# Altium PCB main.PcbDoc
Units mm, origin at the board's own origin, x right, y up, seen from the top; angles counter-clockwise.
Board outline 150 x 150 mm, 2 copper layers (Top Layer, Bottom Layer); 99 components, 98 nets, 474 pads, 53 vias.
Unrouted connection lines stored in the file: 1.
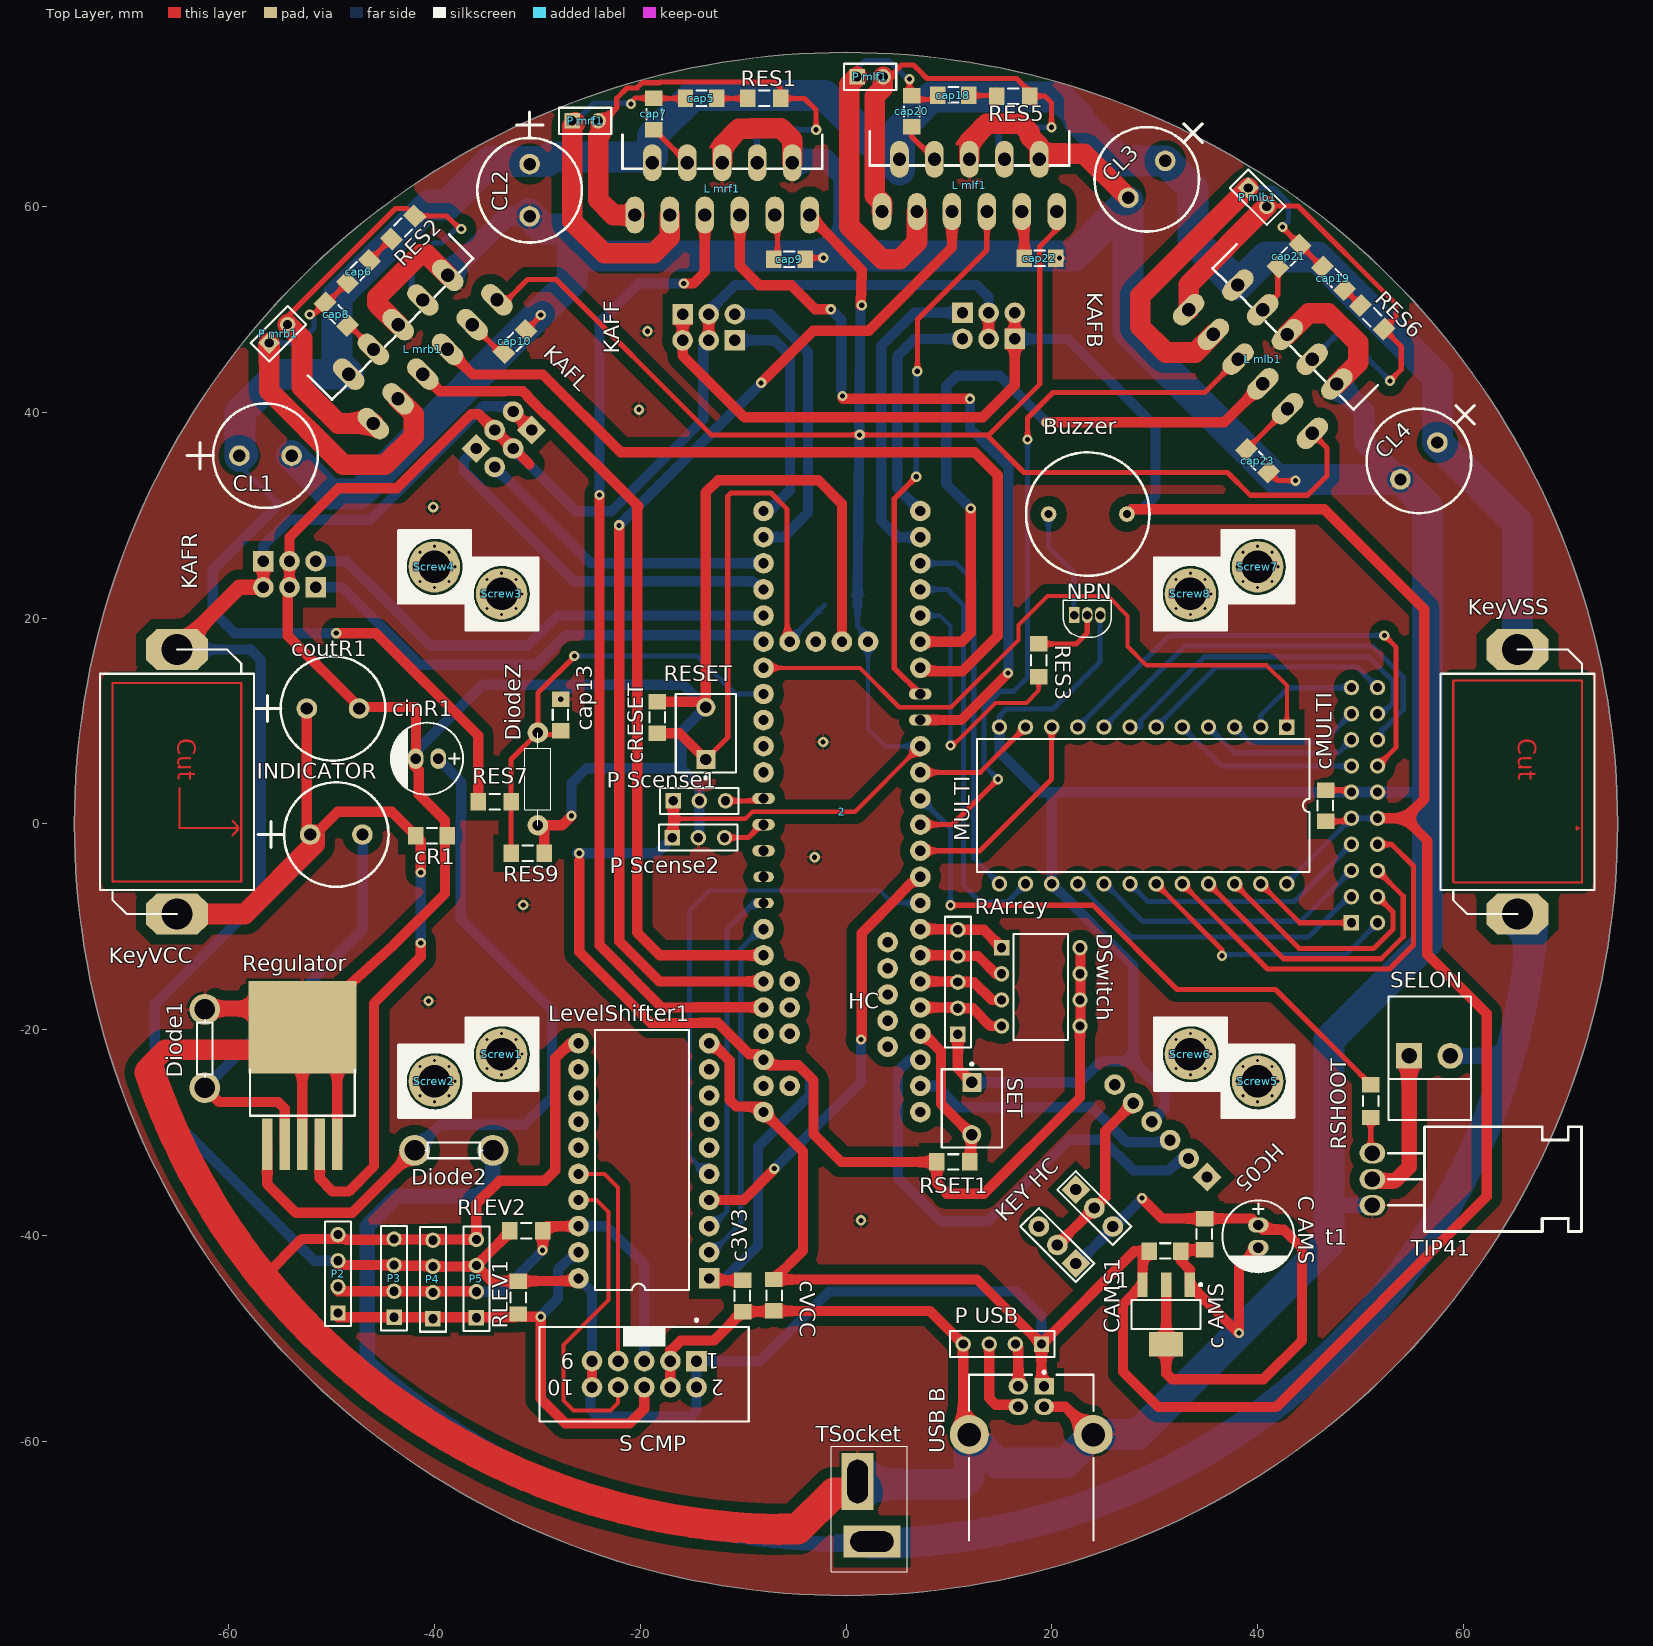
[diagram p0: Top Layer view]
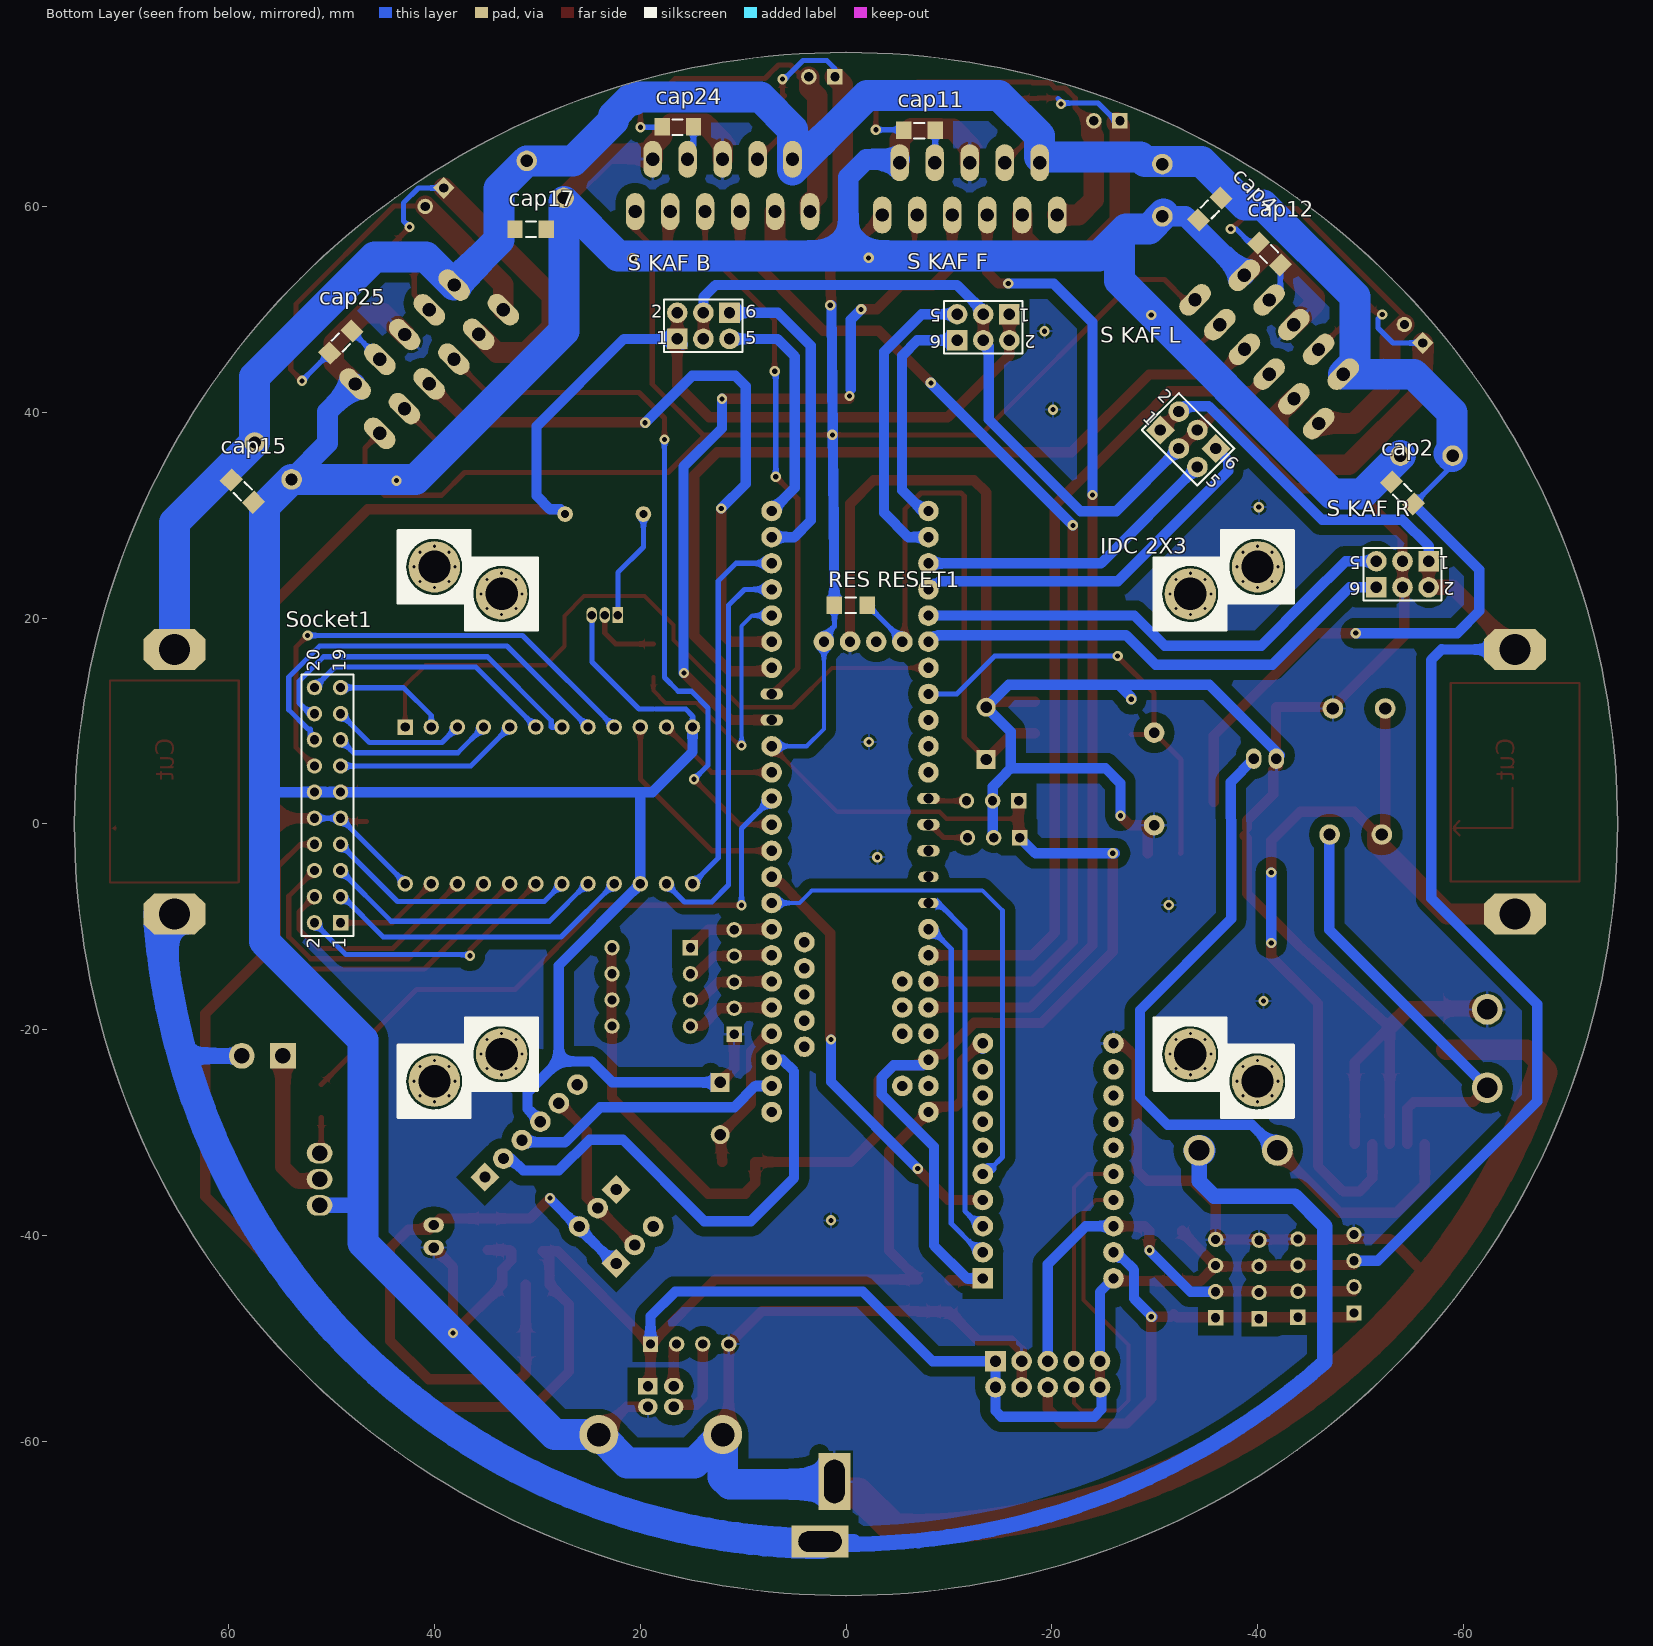
[diagram p1: Bottom Layer view, seen from below]
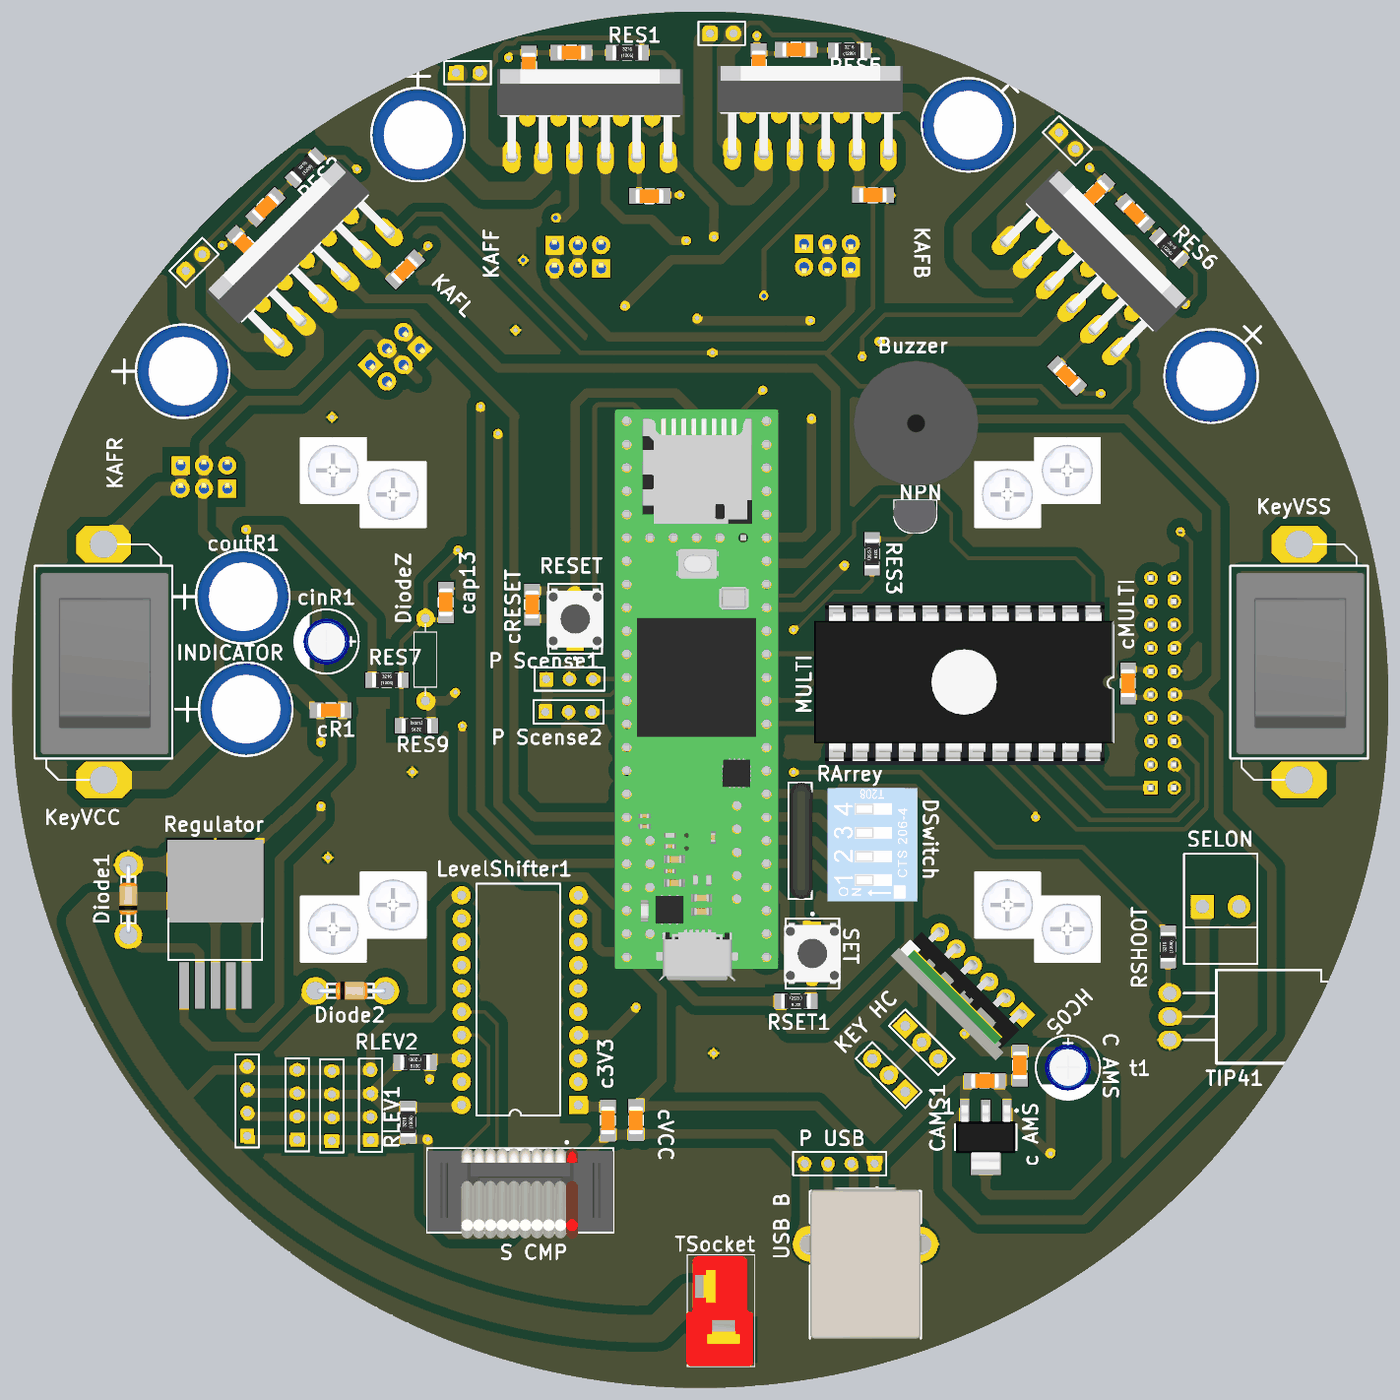
[diagram p2: 3D render of the assembled board from above, using the file's embedded part models]
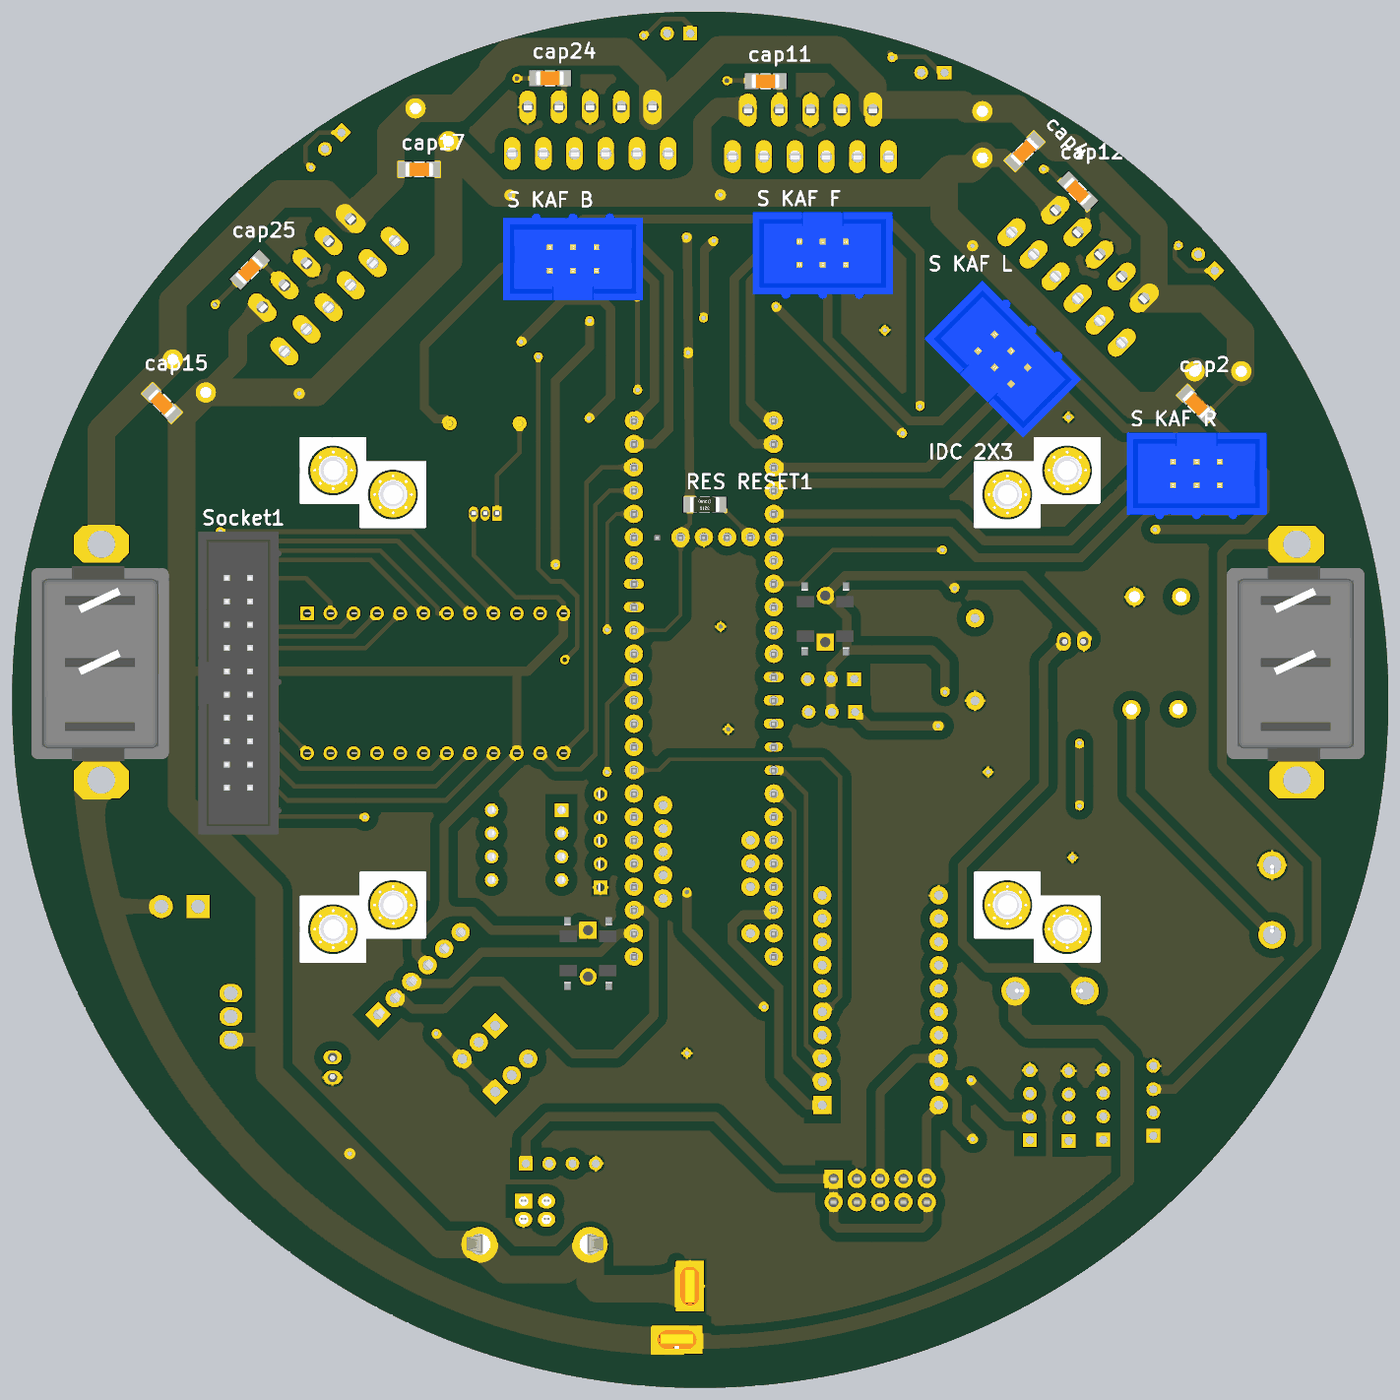
[diagram p3: 3D render of the assembled board from below, using the file's embedded part models]

## Layer stack, top to bottom
Top Solder: solder mask 0.0102, Solder Resist, Dk 3.5
Top Layer: signal copper 0.0356
Dielectric 1: dielectric 0.32, FR-4, Dk 4.8
Bottom Layer: signal copper 0.0356
Bottom Solder: solder mask 0.0102, Solder Resist, Dk 3.5

## Board outline
0,-75 cw(c0,0) -75,0 cw(c0,0) 0,75 cw(c0,0) 75,0 cw(c0,0)

## Design rules (kind name [scope] priority, off if disabled: settings)
Clearance Clearance_1 [InNamedPolygon('poly_butt')] p1: gap=1 ignorepadtopadclearanceinfootprint=FALSE
Clearance Clearance_4 [InNamedPolygon('poly_top')] p2: gap=1 ignorepadtopadclearanceinfootprint=FALSE
Clearance [All] p3: gap=0.5 ignorepadtopadclearanceinfootprint=FALSE
PolygonConnect [All] p1: connectstyle=Relief reliefconductorwidth=0.254 reliefentries=4 polygonreliefangle="90 Angle" airgapwidth=0.254
RoutingVias [All] p1: holewidth=0.5 width=1 viastyle="Through Hole" minholewidth=0.5 minwidth=1 maxholewidth=0.711 maxwidth=1.27
SolderMaskExpansion [All] p1: expansion=0.102
Width [All] p1: maxlimit=4 minlimit=0.4 preferedwidth=1 minimp=50.000000 maximp=50.000000 favimp=50.000000
30 further rules are at their usual default settings.

## Components (designator, comment, footprint, x,y, rotation, side; value= is the part's Value field where it differs from the comment)
1 "LD1117DT33" SOT223 31.15,-47.625 r180 top
2 "TEENSY_3.5/3.6" TEENSY_3.5/3.6 -0.395,-0.06 r90 top
Buzzer "Buzzer" Buzzer 23.525,30.125 r180 top (schematic designator Buzzer1)
c3V3 "smd" "Cap SMD" -10.05,-45.875 r90 top (schematic designator cap3V3)
"c AMS" "smd" "Cap SMD" 34.85,-39.875 r90 top (schematic designator "cap AMS2")
"C AMS" "100uf" "Cap 100uF" 40.15,-39.95 r180 top (schematic designator "capAMS 3")
CAMS1 "smd" "Cap SMD" 31,-41.525 r0 top (schematic designator "cap AMS1")
cap2 "smd" "Cap SMD" -54.1,32.175 r45 bottom
cap4 "smd" "Cap SMD" -35.35,59.775 r315 bottom
cap5 "smd" "Cap SMD" -14.075,70.525 r0 top
cap6 "smd" "Cap SMD" -47.375,53.7 r45 top
cap7 "smd" "Cap SMD" -18.675,69.025 r270 top
cap8 "smd" "Cap SMD" -49.55,49.55 r315 top
cap9 "smd" "Cap SMD" -5.5,54.9 r180 top
cap10 "smd" "Cap SMD" -32.175,46.9 r225 top
cap11 "smd" "Cap SMD" -7.15,67.425 r0 bottom
cap12 "smd" "Cap SMD" -41.153,55.397 r45 bottom
cap13 "smd" "Cap SMD" -27.725,10.6 r90 top
cap15 "smd" "Cap SMD" 58.675,32.35 r225 bottom
cap17 "smd" "Cap SMD" 30.65,57.8 r180 bottom
cap18 "smd" "Cap SMD" 10.425,70.85 r0 top
cap19 "smd" "Cap SMD" 47.375,53.05 r315 top
cap20 "smd" "Cap SMD" 6.375,69.275 r270 top
cap21 "smd" "Cap SMD" 43.05,55.2 r225 top
cap22 "smd" "Cap SMD" 18.85,55 r180 top
cap23 "smd" "Cap SMD" 40,35.3 r135 top
cap24 "smd" "Cap SMD" 16.35,67.75 r0 bottom
cap25 "smd" "Cap SMD" 49.1,46.85 r315 bottom
cinR1 "100uf" "Cap 100uF" -40.598,6.274 r90 top
CL1 "1000uf" "Cap 1000uf" -56.375,35.8 r180 top (schematic designator cap3)
CL2 "1000uf" "Cap 1000uf" -30.75,61.55 r90 top (schematic designator cap1)
CL3 "1000uf" "Cap 1000uf" 29.2,62.625 r45 top (schematic designator cap16)
CL4 "1000uf" "Cap 1000uf" 55.65,35.25 r45 top (schematic designator cap14)
cMULTI "smd" "Cap SMD" 46.625,1.775 r90 top (schematic designator "cap MULTI1")
coutR1 "1000uf" "Cap 1000uf" -49.814,11.225 r180 top
cR1 "smd" "Cap SMD" -40.275,-1.15 r0 top (schematic designator "cap R1")
cRESET "smd" "Cap SMD" -18.332,10.35 r90 top (schematic designator "cap RESET1")
cVCC "smd" "Cap SMD" -7,-45.8 r270 top (schematic designator capVCC1)
Diode1 "Diode" Diode -62.35,-21.875 r90 top
Diode2 "Diode" Diode -38.175,-31.7 r0 top
DiodeZ "DIP" Resistor -29.875,4.375 r270 top (schematic designator RES8)
DSwitch "DIP4" "DIP SW4" 18.975,-15.85 r90 top (schematic designator Switch1)
HC "HC05" HC05 20.364,-41.142 r135 top
INDICATOR "1000uf" "Cap 1000uf" -49.489,-1.025 r180 top (schematic designator INDICATOR1)
"KEY HC" "KEY 2ST" "KEY 2ST" 22.342,-39.125 r135 top
KeyVCC "Power Key" "Power Key"#1 -65.15,4.2 r270 top (schematic designator Key1)
KeyVSS "Power Key" "Power Key"#2 65.15,4.2 r270 top (schematic designator Key2)
"L mlb1" "L6203" MultiWatt11 41.375,46.05 r315 top
"L mlf1" "L6203" MultiWatt11 12,62.45 r0 top
"L mrb1" "L6203" MultiWatt11 -42,47 r45 top
"L mrf1" "L6203" MultiWatt11 -12.025,62.116 r0 top
LevelShifter1 "LevelShifter" CJMCU -13.3,-44.17 r180 top
MULTI "4067 DIP" "4067 DIP" 29.075,1.55 r270 top (schematic designator MULTI1)
NPN "N2222A" NPN 23.445,20.3 r180 top (schematic designator NPN1)
P2 "Header 1" HDR1X4 -49.375,-47.53 r90 top
P3 "Header 3" HDR1X4 -43.925,-47.955 r90 top
P4 "Header 2" HDR1X4 -40.15,-48.08 r90 top
P5 "Header 4" HDR1X4 -35.925,-48 r90 top
"P mlb1" "Header 2" HDR1X2 39.104,61.821 r315 top
"P mlf1" "Header 2" HDR1X2 1.075,72.625 r0 top
"P mrb1" "Header 2" HDR1X2 -56.071,46.754 r45 top
"P mrf1" "Header 2" HDR1X2 -26.625,68.35 r0 top
"P Scense1" "Header 3" HDR1X3 -16.79,2.25 r0 top
"P Scense2" "Header 3" HDR1X3 -16.89,-1.325 r0 top
"P USB" "Header 4" HDR1X4 19.005,-50.55 r180 top
RArrey "Res Array 5" "Res Array 5" 11,-15.875 r90 top (schematic designator RES4)
Regulator "LM2576" D2PAK -52.875,-23.35 r90 top (schematic designator Regulator1)
RES1 "SMD" "Resistor SMD 1206" -7.95,70.525 r0 top
RES2 "SMD" "Resistor SMD 1206" -43.05,57.975 r45 top
RES3 "SMD" "Resistor SMD 1206" 18.725,15.9 r270 top
RES5 "SMD" "Resistor SMD 1206" 16.25,70.75 r0 top
RES6 "SMD" "Resistor SMD 1206" 51.15,49.25 r315 top
RES7 "SMD" "Resistor SMD 1206" -34.15,2.15 r0 top
RES9 "SMD" "Resistor SMD 1206" -30.925,-2.85 r180 top
"RES RESET1" "SMD" "Resistor SMD 1206" -0.475,21.275 r0 bottom
RESET "SW-PB" SW_2pin -13.625,8.81 r90 top (schematic designator "RESET BUTTON1")
RLEV1 "SMD" "Resistor SMD 1206" -31.85,-46.025 r90 top (schematic designator "RES LEVEL1")
RLEV2 "SMD" "Resistor SMD 1206" -31.075,-39.525 r180 top (schematic designator "RES LEVEL2")
RSET1 "SMD" "Resistor SMD 1206" 10.425,-32.85 r180 top (schematic designator "RES SET1")
RSHOOT "SMD" "Resistor SMD 1206" 51,-26.925 r90 top (schematic designator "RES SHOOT")
"S CMP" "IDC2x5" "IDC 2x5" -19.661,-53.607 r270 top
"S KAF B" "IDC 2X3" "IDC 2X3" 13.86,48.42 r180 bottom
"S KAF F" "IDC 2X3" "IDC 2X3" -13.34,48.28 r0 bottom
"S KAF L" "IDC 2X3" "IDC 2X3" -33.252,37.394 r225 bottom
"S KAF R" "IDC 2X3" "IDC 2X3" -54.09,24.27 r0 bottom
Screw1 "Screw" Screw -33.479,-22.37 r0 top
Screw2 "Screw" Screw -40,-25 r0 top
Screw3 "Screw" Screw -33.479,22.37 r0 top
Screw4 "Screw" Screw -40,25 r0 top
Screw5 "Screw" Screw 40,-25 r0 top
Screw6 "Screw" Screw 33.479,-22.37 r0 top
Screw7 "Screw" Screw 40,25 r0 top
Screw8 "Screw" Screw 33.479,22.37 r0 top
SELON "Selon" "Selon Con" 56.75,-22.15 r180 top
SET "SW-PB" SW_2pin 12.225,-27.65 r270 top (schematic designator SET1)
Socket1 "IDC2x10" "IDC 2x10" 49.125,-9.6 r90 bottom
t1 "TIP41" TIP41 60.65,-34.35 r270 top
TSocket "TSocket" TSocket -2.682,-66.448 r270 top (schematic designator SocketT)
"USB B" "USB_B" USB_B.2 18.005,-56.995 r270 top (schematic designator "USB B1")

## Footprints (in the part's own frame and the unit in brackets; to place one, negate y for a bottom-side part, rotate by r counter-clockwise, add the part's x,y. Pads: shape width x height; smd on the part's side, far side on the other; paste and mask are expansions set on the pad)
"4067 DIP" [mm]
  rect 1.5x1.5 hole 0.9: 1(-7.874,13.776)
  round 1.5 hole 0.9: 2(-7.874,11.236) 3(-7.874,8.696) 4(-7.874,6.156) 5(-7.874,3.616) 6(-7.874,1.076) 7(-7.874,-1.464) 8(-7.874,-4.004) 9(-7.874,-6.544) 10(-7.874,-9.084) 11(-7.874,-11.624) 12(-7.874,-14.164) 13(7.366,-14.164) 14(7.366,-11.624) 15(7.366,-9.084) 16(7.366,-6.544) 17(7.366,-4.004) 18(7.366,-1.464) 19(7.366,1.076) 20(7.366,3.616) 21(7.366,6.156) 22(7.366,8.696) 23(7.366,11.236) 24(7.366,13.776)
  silkscreen extent -6.7,-16.34 6.2,15.96, body extent -9.14,-16.64 8.64,16, height 9.79
Buzzer [mil]
  round 60 hole 30: 1(-149,0) 2(151,0)
  silkscreen extent -235,-236 237,236, body extent -269,-269 270,270, height 299
"Cap 100uF" [mm]
  oval 2x1.5 hole 1: 1(0.076,-0.973) 2(0.076,1.227)
  silkscreen extent -3.42,-3.37 3.58,3.63, body extent -2.45,-2.4 2.6,2.65, height 11.53
"Cap 1000uf" [mm]
  round 2 hole 1.2: 1(2.591,0) 2(-2.489,0)
  silkscreen extent -5.03,-5.08 7.67,5.08, body extent -5,-5 5,5, height 13.5
"Cap SMD" [mm]
  rect 1.5x1.7 smd: 1(-1.525,0) 2(1.525,0)
  silkscreen extent -0.47,-0.72 0.53,0.78, body extent -1.49,-0.76 1.55,0.76, height 0.75
CJMCU [mm]
  round 2 hole 1: A1(0,-2.54) A2(0,-5.08) A3(0,-7.62) A4(0,-10.16) A5(0,-12.7) A6(0,-15.24) A7(0,-17.78) A8(0,-20.32) B1(12.7,-2.54) B2(12.7,-5.08) B3(12.7,-7.62) B4(12.7,-10.16) B5(12.7,-12.7) B6(12.7,-15.24) B7(12.7,-17.78) B8(12.7,-20.32) GND(12.7,-22.86) OE(0,-22.86) vB(12.7,0)
  rect 2x2 hole 1: vA(0,0)
  silkscreen extent 1.98,-24.13 11.1,1.14
D2PAK [mm] "LM2576"
  rect 5x1.05 smd paste-25.4 mask-25.4: 1(-7.758,3.375) 2(-7.758,1.675) 3(-7.758,-0.025) 4(-7.758,-1.725) 5(-7.758,-3.425)
  rect 9x10.5 smd mask-25.4: 6(3.592,-0.025)
  silkscreen extent -5.01,-5.13 -0.51,5.07, body extent -7.37,-5.08 6.86,5.08, height 4.87
Diode [mm]
  round 3 hole 2: 1(3.861,-0.025) 2(-3.759,-0.025)
  silkscreen extent -2.72,-0.79 2.82,0.74, body extent -3.57,-1.03 3.93,0.97, height 2
"DIP SW4" [mm]
  rect 1.5x1.5 hole 0.9: 1(3.829,3.854)
  round 1.5 hole 0.9: 2(1.289,3.854) 3(-1.251,3.854) 4(-3.791,3.854) 5(-3.791,-3.766) 6(-1.251,-3.766) 7(1.289,-3.766) 8(3.829,-3.766)
  silkscreen extent -5.13,-2.61 5.17,2.69, body extent -6.12,-4.7 6.22,5.08, height 8.14
HC05 [mm]
  rect 2x2 hole 1.1: 1(-5.588,-15.24)
  round 2 hole 1.1: 2(-3.048,-15.24) 3(-0.508,-15.24) 4(2.032,-15.24) 5(4.572,-15.24) 6(7.112,-15.24)
  body extent -7.05,-15.58 9.05,-9.68, height 40
HDR1X2 [mm] "Connector; Header; 2 Position"
  rect 1.5x1.5 hole 0.9: 1(0,0)
  round 1.5 hole 0.9: 2(2.54,0)
  silkscreen extent -1.27,-1.27 3.81,1.27
HDR1X3 [mm] "Connector; Header; 3 Position"
  rect 1.5x1.5 hole 0.9: 1(0,0)
  round 1.5 hole 0.9: 2(2.54,0) 3(5.08,0)
  silkscreen extent -1.27,-1.27 6.35,1.27
HDR1X4 [mm] "Connector; Header; 4 Position"
  rect 1.5x1.5 hole 0.9: 1(0,0)
  round 1.5 hole 0.9: 2(2.54,0) 3(5.08,0) 4(7.62,0)
  silkscreen extent -1.27,-1.27 8.89,1.27
"IDC 2X3" [mm]
  rect 2x2 hole 1.1: 1(-2.54,-1.27) 6(2.54,1.27)
  round 2 hole 1.1: 2(-2.54,1.27) 3(0,-1.27) 4(0,1.27) 5(2.54,-1.27)
  silkscreen extent -3.81,-2.54 3.81,2.54, body extent -7.62,-4.86 7.62,4.59, height 9.1
"IDC 2x5" [mm] "IDC 5x2"
  rect 2x2 hole 1.1: 1(-1.397,5.131)
  round 2 hole 1.1: 2(1.143,5.131) 3(-1.397,2.591) 4(1.143,2.591) 5(-1.397,0.051) 6(1.143,0.051) 7(-1.397,-2.489) 8(1.143,-2.489) 9(-1.397,-5.029) 10(1.143,-5.029)
  silkscreen extent -5.5,-10.11 4.47,10.21, body extent -4.73,-10.11 5.09,10.21, height 133.79
"IDC 2x10" [mm]
  rect 1.5x1.5 hole 0.9: 1(0,0)
  round 1.5 hole 0.9: 2(0,2.54) 3(2.54,0) 4(2.54,2.54) 5(5.08,0) 6(5.08,2.54) 7(7.62,0) 8(7.62,2.54) 9(10.16,0) 10(10.16,2.54) 11(12.7,0) 12(12.7,2.54) 13(15.24,0) 14(15.24,2.54) 15(17.78,0) 16(17.78,2.54) 17(20.32,0) 18(20.32,2.54) 19(22.86,0) 20(22.86,2.54)
  silkscreen extent -1.27,-1.27 24.13,3.81, body extent -5.08,-3.51 27.94,5.59, height 2.1
"KEY 2ST" [mm]
  rect 2x2 hole 1.1: 1(-2.54,2.54) 6(2.54,-2.54)
  round 2 hole 1.1: 2(-2.54,-2.54) 3(0,2.54) 4(0,-2.54) 5(2.54,2.54)
  silkscreen extent -3.81,-3.81 3.81,3.81
MultiWatt11 [mm] "L6203"
  oval 1.8x3.6 hole 1.3 mask-25.4: 1(-8.5,-2.921) 2(-6.8,2.159) 3(-5.1,-2.921) 4(-3.4,2.159) 5(-1.7,-2.921) 6(0,2.159) 7(1.7,-2.921) 8(3.4,2.159) 9(5.1,-2.921) 10(6.8,2.159) 11(8.5,-2.921)
  silkscreen extent -9.7,1.56 9.7,4.86, body extent -10.1,-3.28 10.1,6.61, height 22.8